# KiCad board IotKnob.kicad_pcb (continued)
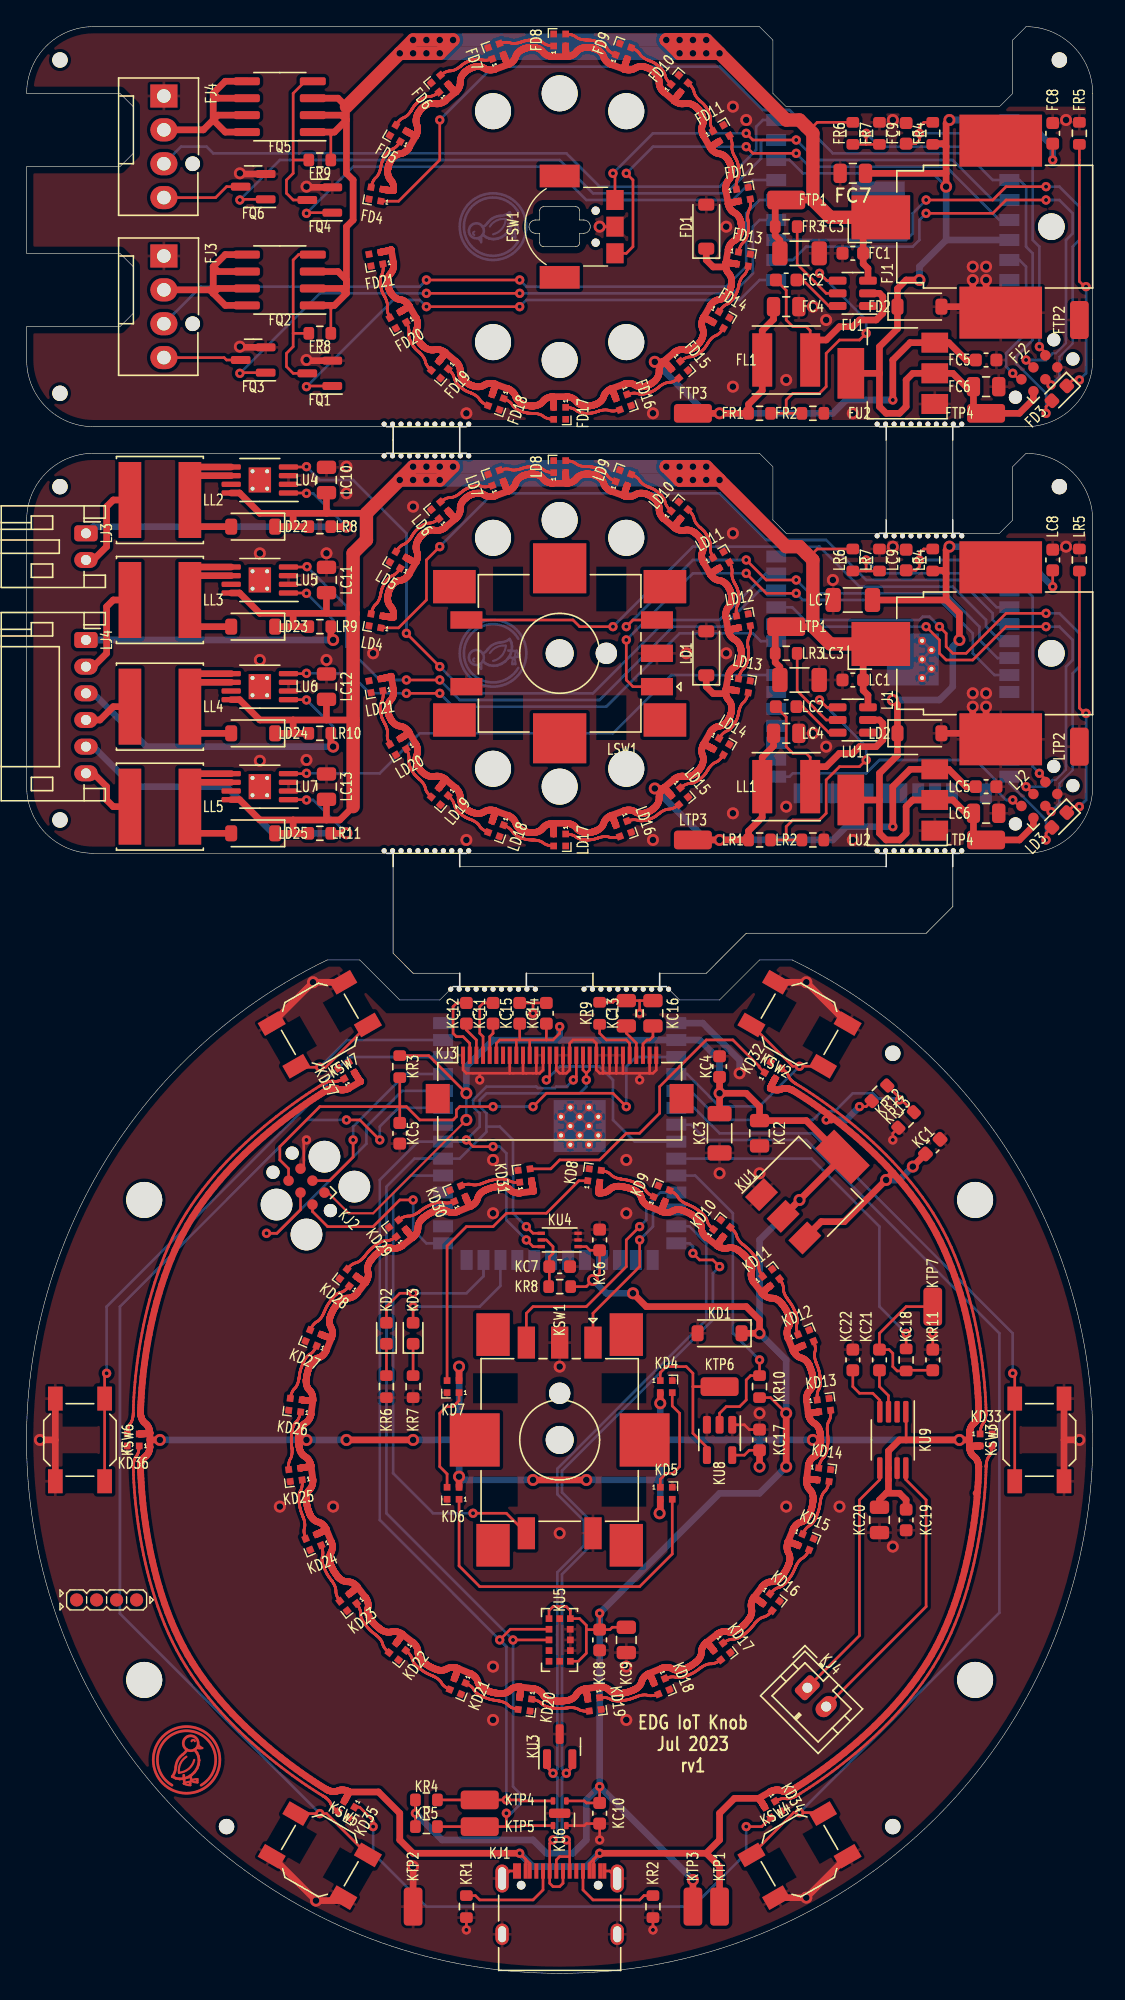
[diagram p0: board, top side]
## Routing (per net, layer and track width the routed paths; a pad name or vN(x,y) marks a point on that pad's centre or on a via; arc(x,y) is an arc through that point) (continued)
rgb_shift.output: length 12
  Top w0.2: KTP6.1 50,44.01 ; 50,44.01 50,40.51 51.05,39.46 KU8.4 ; 50,44.01 50,45.01 49.5,45.51 48,45.51 47.55,45.06 KD4.1
rgb_sw.led[0].dout: length 33
  Top w0.2: 71.56,40.6 71.56,40.65 71.57,40.68 71.58,40.75 71.58,40.78 71.59,40.81 71.6,40.84 71.61,40.88 71.63,40.95 71.64,40.98 71.65,41.02 71.66,41.05 71.68,41.08 71.7,41.11 71.71,41.15 71.73,41.18 71.75,41.2 71.8,41.26 71.82,41.29 71.84,41.32 71.85,41.35 71.87,41.38 71.88,41.41 71.9,41.45 71.91,41.48 71.92,41.52 71.94,41.58 71.95,41.62 71.96,41.65 71.97,41.69 71.97,41.72 71.98,41.78 71.99,41.81 71.99,41.86 72,41.91 72,41.97 72,41.98 72,42.01 72,42.03 72,42.11 72,42.24 71.99,42.42 71.98,42.64 71.97,42.9 71.95,43.21 71.93,43.56 71.9,43.94 71.87,44.35 71.82,44.8 71.77,45.28 71.71,45.78 71.63,46.31 71.55,46.86 71.45,47.44 71.34,48.03 71.22,48.64 71.09,49.26 70.93,49.9 70.76,50.54 70.58,51.19 70.38,51.85 70.16,52.51 69.91,53.17 69.66,53.83 69.37,54.48 69.07,55.13 68.75,55.77 68.4,56.4 68.03,57.02 67.63,57.62 67.22,58.21 66.8,58.78 66.36,59.33 65.91,59.87 65.44,60.39 64.98,60.9 64.5,61.38 64.03,61.85 63.56,62.3 63.09,62.73 62.62,63.14 62.16,63.53 61.71,63.9 61.28,64.25 60.85,64.58 60.45,64.88 60.06,65.17 59.7,65.43 59.36,65.67 59.04,65.89 58.75,66.08 58.5,66.25 58.27,66.39 58.08,66.51 57.82,66.67 57.75,66.71 57.73,66.72 57.71,66.73 57.67,66.76 57.61,66.8 57.59,66.81 57.57,66.83 57.55,66.85 57.52,66.87 57.47,66.91 57.44,66.93 57.42,66.96 57.37,67.01 57.34,67.03 57.3,67.09 57.28,67.12 57.25,67.15 57.23,67.18 57.22,67.21 57.2,67.24 57.19,67.27 57.17,67.3 57.16,67.33 57.15,67.37 57.13,67.4 57.11,67.43 57.09,67.46 57.07,67.49 57.05,67.52 57.03,67.54 57,67.57 56.95,67.62 56.93,67.65 56.9,67.67 56.85,67.72 56.78,67.77 56.75,67.79 56.73,67.81
rgb_sw.led[1].dout: length 33
  Top w0.2: 56.29,12.97 56.32,12.98 56.34,12.99 56.37,13.01 56.4,13.02 56.43,13.03 56.46,13.04 56.49,13.05 56.53,13.06 56.56,13.07 56.59,13.08 56.63,13.09 56.66,13.09 56.7,13.1 56.74,13.11 56.77,13.11 56.81,13.11 56.84,13.11 56.88,13.11 56.91,13.11 56.95,13.1 56.98,13.1 57.02,13.09 57.05,13.09 57.09,13.09 57.12,13.09 57.16,13.1 57.2,13.1 57.23,13.11 57.27,13.11 57.3,13.12 57.34,13.13 57.37,13.14 57.41,13.15 57.44,13.16 57.47,13.17 57.5,13.18 57.55,13.21 57.58,13.22 57.61,13.23 57.63,13.24 57.67,13.26 57.71,13.28 57.73,13.29 57.73,13.29 57.75,13.31 57.82,13.35 58.08,13.51 58.27,13.62 58.5,13.77 58.75,13.94 59.04,14.13 59.36,14.34 59.7,14.58 60.06,14.84 60.45,15.13 60.85,15.43 61.28,15.76 61.71,16.11 62.16,16.48 62.62,16.87 63.09,17.28 63.56,17.71 64.03,18.16 64.5,18.63 64.98,19.12 65.44,19.62 65.91,20.14 66.36,20.68 66.8,21.24 67.22,21.81 67.63,22.39 68.03,22.99 68.4,23.61 68.75,24.24 69.07,24.88 69.37,25.53 69.66,26.19 69.91,26.84 70.16,27.5 70.38,28.16 70.58,28.82 70.76,29.47 70.93,30.12 71.09,30.75 71.22,31.37 71.34,31.98 71.45,32.58 71.55,33.15 71.63,33.7 71.71,34.23 71.77,34.74 71.82,35.21 71.87,35.66 71.9,36.08 71.93,36.46 71.95,36.8 71.97,37.11 71.98,37.37 71.99,37.6 72,37.77 72,37.9 72,37.98 72,38.02 72,38.03 72,38.05 72,38.1 72.01,38.15 72.01,38.2 72.02,38.23 72.03,38.3 72.03,38.33 72.04,38.36 72.05,38.39 72.06,38.43 72.08,38.5 72.09,38.53 72.1,38.57 72.12,38.6 72.13,38.63 72.15,38.66 72.16,38.7 72.18,38.73 72.2,38.75 72.25,38.81 72.27,38.84 72.29,38.87 72.3,38.9 72.32,38.93 72.34,38.96 72.35,39 72.36,39.03 72.37,39.07 72.39,39.13 72.4,39.17 72.41,39.2 72.42,39.24 72.42,39.27 72.43,39.33 72.44,39.36 72.44,39.41
rgb_sw.led[2].dout: length 39.7
  Top w0.2: KD35.1 25,12.46 26,11.46 v2(26,11.01) ; v2(54,11.01) 55.16,11.01 KD34.3
  Bottom w0.2: v2(54,11.01) 54,9.01 50,5.01 30,5.01 26,9.01 v2(26,11.01)
rgb_sw.led[3].dout: length 33
  Top w0.2: 8.44,39.41 8.44,39.36 8.43,39.33 8.42,39.27 8.42,39.24 8.41,39.2 8.4,39.17 8.39,39.13 8.37,39.07 8.36,39.03 8.35,39 8.33,38.96 8.32,38.93 8.3,38.9 8.29,38.87 8.27,38.84 8.25,38.81 8.2,38.75 8.18,38.73 8.16,38.7 8.15,38.66 8.13,38.63 8.11,38.6 8.1,38.57 8.09,38.53 8.08,38.5 8.06,38.43 8.05,38.39 8.04,38.36 8.03,38.33 8.03,38.3 8.02,38.23 8.01,38.2 8.01,38.15 8,38.1 8,38.05 8,38.03 8,38.01 8,37.98 8,37.9 8,37.77 8.01,37.6 8.02,37.37 8.03,37.11 8.05,36.8 8.07,36.46 8.1,36.08 8.13,35.66 8.18,35.21 8.23,34.74 8.29,34.23 8.37,33.7 8.45,33.15 8.55,32.58 8.66,31.98 8.78,31.37 8.92,30.75 9.07,30.12 9.24,29.47 9.42,28.82 9.62,28.16 9.84,27.5 10.08,26.84 10.34,26.19 10.63,25.53 10.93,24.88 11.25,24.24 11.6,23.61 11.97,22.99 12.37,22.39 12.78,21.81 13.2,21.24 13.64,20.68 14.09,20.14 14.56,19.62 15.02,19.12 15.5,18.63 15.97,18.16 16.44,17.71 16.91,17.28 17.38,16.87 17.84,16.48 18.29,16.11 18.72,15.76 19.15,15.43 19.55,15.13 19.94,14.84 20.3,14.58 20.64,14.34 20.96,14.13 21.25,13.94 21.5,13.77 21.73,13.62 21.92,13.51 22.18,13.35 22.25,13.31 22.27,13.29 22.29,13.28 22.33,13.25 22.39,13.22 22.41,13.2 22.43,13.18 22.45,13.16 22.48,13.15 22.53,13.1 22.56,13.08 22.58,13.06 22.63,13.01 22.66,12.98 22.7,12.93 22.72,12.9 22.75,12.87 22.77,12.84 22.78,12.81 22.8,12.78 22.81,12.74 22.83,12.71 22.84,12.68 22.85,12.65 22.87,12.62 22.89,12.58 22.91,12.55 22.93,12.53 22.95,12.5 22.97,12.47 23,12.44 23.05,12.39 23.07,12.37 23.1,12.34 23.15,12.3 23.22,12.24 23.25,12.22 23.27,12.21
rgb_sw.led[4].dout: length 33
  Top w0.2: 7.56,40.6 7.56,40.65 7.57,40.68 7.58,40.75 7.58,40.78 7.59,40.81 7.6,40.84 7.61,40.88 7.63,40.95 7.64,40.98 7.65,41.02 7.67,41.05 7.68,41.08 7.7,41.11 7.71,41.15 7.73,41.18 7.75,41.2 7.8,41.26 7.82,41.29 7.84,41.32 7.85,41.35 7.87,41.38 7.89,41.41 7.9,41.45 7.91,41.48 7.92,41.52 7.94,41.58 7.95,41.62 7.96,41.65 7.97,41.69 7.97,41.72 7.98,41.78 7.99,41.81 7.99,41.86 8,41.91 8,41.97 8,41.98 8,42.01 8,42.03 8,42.11 8,42.24 8.01,42.42 8.02,42.64 8.03,42.9 8.05,43.21 8.07,43.56 8.1,43.94 8.13,44.35 8.18,44.8 8.23,45.28 8.29,45.78 8.37,46.31 8.45,46.86 8.55,47.44 8.66,48.03 8.78,48.64 8.92,49.26 9.07,49.9 9.24,50.54 9.42,51.19 9.62,51.85 9.84,52.51 10.08,53.17 10.34,53.83 10.63,54.48 10.93,55.13 11.25,55.77 11.6,56.4 11.97,57.02 12.37,57.62 12.78,58.21 13.2,58.78 13.64,59.33 14.09,59.87 14.56,60.39 15.02,60.9 15.5,61.38 15.97,61.85 16.44,62.3 16.91,62.73 17.38,63.14 17.84,63.53 18.29,63.9 18.72,64.25 19.15,64.58 19.55,64.88 19.94,65.17 20.3,65.43 20.64,65.67 20.96,65.89 21.25,66.08 21.5,66.25 21.73,66.39 21.92,66.51 22.18,66.67 22.25,66.71 22.27,66.72 22.32,66.75 22.37,66.77 22.39,66.78 22.42,66.79 22.45,66.81 22.5,66.83 22.53,66.84 22.56,66.85 22.59,66.86 22.63,66.87 22.66,66.88 22.7,66.89 22.73,66.9 22.77,66.91 22.8,66.91 22.84,66.92 22.88,66.92 22.91,66.92 22.95,66.92 22.98,66.92 23.02,66.92 23.05,66.91 23.09,66.91 23.12,66.9 23.16,66.9 23.19,66.9 23.23,66.9 23.26,66.91 23.3,66.91 23.34,66.92 23.37,66.93 23.41,66.93 23.44,66.94 23.47,66.95 23.51,66.96 23.54,66.97 23.57,66.98 23.6,67 23.63,67.01 23.66,67.02 23.68,67.03 23.71,67.04
spk_dac.input: length 27.4
  Top w0.2: KR11.1 v2(66,48.01)
  Bottom w0.2: v2(66,48.01) 64,50.01 64,56.01 58.9,61.11 KU2.9
spk_dac.output: length 11.3
  Top w0.2: KTP7.1 66,50.01 64,48.01 KC21.2 64.72,46.78 65,46.51 65,45.51 65.33,45.18 KR11.2 ; KC18.1 66.05,45.23
spk_drv.inn_cap.pos: length 4.5
  Top w0.2: KU9.4 64.03,42.98 63.5,43.51 62.5,43.51 62,44.01 KC22.1
spk_drv.inp_cap.pos: length 3.4
  Top w0.2: KC21.1 64,44.01 64.67,43.33 KU9.3
spk_drv.spk.a: length 18.7
  Top w0.2: KJ4.1 62.5,25.33 62.5,35.51 64.03,37.03 KU9.5
spk_drv.spk.b: length 21.6
  Top w0.2: KU9.8 65.97,37.03 67.5,35.51 67.5,27.51 KJ4.2
sw[0].out: length 18.2
  Top w0.2: KSW2.1 57.49,68.03 KSW2.1
  Bottom w0.2: KU2.4 49.55,67.46 51.29,65.72 51.29,65.71 51.98,65.02 54.99,65.02 v2(58,68.03)
sw[1].out: length 43.4
  Top w0.2: v2(74,45.01) 74.15,44.86 KSW3.1 KSW3.1
  Bottom w0.2: KU2.6 50.09,64.92 52,63.01 59,63.01 74,48.01 v2(74,45.01)
sw[2].out: length 79.5
  Top w0.2: KSW4.1 57.56,12.06 59.67,12.06
  Bottom w0.2: v2(58,12.06) 73,27.06 73,48.01 58.5,62.51 51,62.51 49.86,63.65 KU2.7
sw[3].out: length 83.1
  Top w0.2: KSW5.1 22.51,11.98 KSW5.1 ; v2(24,64.01) 25,64.01 v2(26.5,62.51)
  Bottom w0.2: KU2.35 27.91,64.92 26.5,63.51 v2(26.5,62.51) ; v2(24,64.01) 21,64.01 7,50.01 7,26.98 v2(22,11.98)
sw[4].out: length 46.5
  Top w0.2: KSW6.1 KSW6.1 5.85,44.86 v2(6,45.01)
  Bottom w0.2: KU2.38 24.22,68.73 22.5,67.01 22.5,66.51 6,50.01 v2(6,45.01)
sw[5].out: length 16.7
  Top w0.2: 20.33,67.96 22.44,67.96 KSW7.1
  Bottom w0.2: v2(22,67.96) 24.04,70 KU2.39
usb.conn.A5: length 7.6
  Top w0.2: KR1.2 33.67,5.83 34,5.51 38,5.51 38.75,6.26 KJ1.A5
usb.conn.B5: length 7.1
  Top w0.2: KR2.2 46.33,5.83 46,5.51 42.5,5.51 41.75,6.26 KJ1.B5
usb_chain_0.d_N: length 60.3
  Top w0.2: KJ1.A7 40.25,6.76 40,6.51 39.5,6.51 39.25,6.76 KJ1.B7 39.25,9.76 v2(39.5,10.01) ; 39.05,15.46 v2(39.5,15.01)
  Bottom w0.2: KU2.13 49.73,56.03 51,54.76 51,49.02 39.83,37.85 39.83,35.93 41.83,33.93 41.83,32.08 39.83,30.08 39.83,15.33 v2(39.5,15.01) 39.83,14.68 39.83,10.33 v2(39.5,10.01)
usb_chain_0.d_P: length 59.2
  Top w0.2: KJ1.B6 40.75,8.76 ; 40.75,8.76 40.75,9.76 v2(40.5,10.01) ; 40.75,8.76 40,8.76 39.75,8.51 KJ1.A6 ; v2(50,54.01) 50.5,53.51 51.5,53.51 v2(52,53.01) ; 40.95,15.46 v2(40.5,15.01)
  Bottom w0.2: v2(52,53.01) 51.5,52.51 51.5,49.03 40.17,37.7 40.17,36.08 42.17,34.08 42.17,31.93 40.17,29.93 40.17,15.33 v2(40.5,15.01) 40.17,14.68 40.17,10.33 v2(40.5,10.01) ; KU2.14 49.75,54.76 50,54.51 v2(50,54.01)
vusb: length 455.4
  Top w0.2: 66,42.09 66,40.01 ; KJ1.B4 42.25,8.26 v2(43,9.01) 42.55,8.56 KJ1.A9 ; v2(62.5,65.01) 63,65.01 KR12.1 ; KJ1.B9 37.75,8.26 v2(37,9.01) 37.45,8.56 KJ1.A4 ; KU8.5 53.86,38.87 54.22,39.23 KC17.1
  Top w0.5: KD28.2 24.79,52.25 24.81,52.23 24.83,52.22 24.84,52.21 24.85,52.2 24.88,52.18 24.9,52.17 24.93,52.14 24.95,52.13 24.97,52.11 25,52.09 25.05,52.06 25.07,52.04 25.11,52.01 25.22,51.94 25.24,51.93 25.26,51.91 25.27,51.9 25.29,51.89 25.32,51.87 25.34,51.86 25.36,51.85 25.38,51.84 25.4,51.83 25.43,51.82 ; 21.47,42.95 21.47,42.95 21.46,42.95 21.44,42.94 21.43,42.94 21.41,42.94 21.39,42.94 21.38,42.94 21.35,42.94 21.32,42.95 21.3,42.95 21.28,42.95 21.23,42.95 21.07,42.96 21.05,42.96 21,42.97 20.97,42.97 20.93,42.98 20.9,42.98 20.84,42.98 20.82,42.99 20.77,42.99 20.75,42.99 20.73,43 20.69,43 KD26.2 ; 21.48,42.95 21.48,42.99 21.48,43.02 21.48,43.09 21.48,43.11 21.48,43.17 21.47,43.2 21.47,43.23 21.46,43.26 21.45,43.33 21.44,43.37 21.43,43.4 21.42,43.44 21.41,43.47 21.39,43.51 21.37,43.54 21.35,43.58 21.33,43.61 21.31,43.64 21.28,43.68 21.26,43.71 21.2,43.77 21.17,43.8 21.14,43.83 21.12,43.87 21.1,43.9 21.08,43.94 21.06,43.97 21.05,44.01 21.03,44.04 21.02,44.08 21.01,44.11 21,44.15 21,44.18 20.98,44.25 20.98,44.28 20.98,44.31 20.97,44.36 20.97,44.39 20.97,44.44 20.97,44.46 20.97,44.47 20.98,44.51 20.98,44.53 20.99,44.59 20.99,44.61 20.99,44.63 20.99,44.65 21,44.67 21,44.69 21,44.71 21.01,44.73 21.01,44.76 21.02,44.83 21.03,44.85 21.03,44.88 21.04,44.9 21.04,44.92 21.05,44.97 21.06,44.99 21.06,45.02 21.08,45.08 21.09,45.12 21.09,45.14 21.11,45.18 21.11,45.2 21.12,45.23 21.13,45.25 21.14,45.27 21.15,45.3 21.16,45.32 21.16,45.34 21.17,45.37 21.19,45.41 21.21,45.47 21.22,45.49 21.24,45.54 21.25,45.57 21.25,45.58 21.26,45.6 21.27,45.61 21.28,45.62 21.29,45.65 21.3,45.67 21.31,45.68 21.32,45.7 21.34,45.75 21.38,45.79 21.39,45.82 21.43,45.87 21.45,45.89 21.48,45.92 21.5,45.95 21.53,45.97 21.56,46 21.59,46.02 21.62,46.04 21.65,46.06 21.68,46.08 21.72,46.1 21.76,46.12 21.79,46.14 21.83,46.15 21.88,46.16 21.92,46.17 21.96,46.19 22,46.2 22.03,46.22 22.07,46.24 22.1,46.26 22.13,46.28 22.16,46.3 22.19,46.33 22.22,46.35 22.25,46.38 22.27,46.4 22.3,46.43 22.32,46.45 22.34,46.48 22.36,46.5 22.38,46.53 22.41,46.58 22.43,46.62 22.44,46.64 22.45,46.66 22.46,46.67 22.48,46.7 22.48,46.72 22.49,46.72 22.87,47.64 ; 21.48,42.95 21.34,41.96 21.34,41.92 21.33,41.91 21.33,41.87 21.32,41.85 21.31,41.82 21.31,41.8 21.29,41.74 21.27,41.69 21.25,41.66 21.24,41.63 21.22,41.6 21.2,41.56 21.19,41.53 21.16,41.5 21.14,41.47 21.12,41.44 21.09,41.41 21.06,41.38 21.04,41.36 21,41.33 20.97,41.31 20.94,41.28 20.9,41.26 20.86,41.24 20.83,41.22 20.8,41.19 20.76,41.16 20.73,41.14 20.71,41.11 20.68,41.08 20.64,41.02 20.62,40.99 20.6,40.96 20.58,40.93 20.56,40.89 20.55,40.86 20.53,40.83 20.52,40.8 20.5,40.75 20.49,40.7 20.48,40.67 20.47,40.65 20.47,40.62 20.46,40.59 20.46,40.58 20.46,40.56 20.45,40.54 20.45,40.52 20.45,40.51 20.44,40.48 20.44,40.42 20.44,40.4 20.43,40.36 20.43,40.33 20.42,40.29 20.42,40.26 20.41,40.16 20.41,40.14 20.41,40.12 20.41,40.05 20.41,40.01 ; 9.25,40.51 9.24,40.5 9.21,40.49 9.19,40.49 9.18,40.49 9.16,40.49 9.14,40.49 9.13,40.48 9.11,40.48 9.08,40.48 9.06,40.48 9.01,40.47 8.98,40.47 8.95,40.47 8.93,40.47 8.9,40.47 8.72,40.46 8.7,40.46 8.68,40.46 8.66,40.46 8.64,40.46 8.62,40.46 8.6,40.46 8.58,40.46 8.53,40.46 8.51,40.46 KD36.2 ; 9.25,40.51 9.25,40.01 ; 9.25,40.51 9.25,40.52 9.25,40.56 9.25,40.58 9.24,40.6 9.24,40.62 9.23,40.67 9.23,40.7 9.22,40.73 9.21,40.79 9.2,40.82 9.19,40.85 9.17,40.88 9.16,40.92 9.15,40.95 9.13,40.98 9.11,41.02 9.09,41.05 9.07,41.08 9.05,41.11 9.02,41.14 9,41.17 8.97,41.2 8.93,41.23 8.87,41.28 8.83,41.31 8.81,41.34 8.78,41.37 8.75,41.4 8.73,41.43 8.71,41.46 8.69,41.5 8.67,41.53 8.65,41.56 8.64,41.6 8.63,41.63 8.61,41.66 8.6,41.7 8.59,41.73 8.58,41.79 8.57,41.82 8.57,41.84 8.56,41.89 8.56,41.91 8.55,41.93 8.55,41.98 8.55,42.01 8.55,42.03 8.55,42.11 8.55,42.24 8.56,42.41 8.57,42.63 8.58,42.89 8.59,43.19 8.62,43.53 8.64,43.9 8.68,44.31 8.72,44.75 8.78,45.21 8.84,45.71 8.91,46.23 8.99,46.77 9.09,47.33 9.19,47.91 9.31,48.51 9.45,49.12 9.6,49.74 9.76,50.38 9.94,51.02 10.14,51.66 10.36,52.31 10.59,52.95 10.85,53.6 11.13,54.24 11.42,54.88 11.74,55.51 12.08,56.12 12.45,56.73 12.83,57.32 13.23,57.89 13.65,58.45 14.08,59 14.53,59.53 14.98,60.04 15.44,60.53 15.9,61.01 16.36,61.47 16.83,61.91 17.29,62.33 17.75,62.73 18.2,63.12 18.64,63.48 19.07,63.82 19.48,64.14 19.88,64.44 20.26,64.72 20.62,64.98 20.95,65.21 21.26,65.43 21.54,65.61 21.79,65.78 22.01,65.92 22.2,66.03 22.34,66.12 22.45,66.19 22.52,66.23 22.55,66.25 22.59,66.27 22.61,66.27 22.63,66.28 22.67,66.3 22.69,66.31 22.72,66.32 22.78,66.34 22.84,66.35 22.87,66.36 22.91,66.37 22.94,66.37 22.98,66.37 23.02,66.38 23.05,66.38 23.09,66.38 23.13,66.37 23.17,66.37 23.21,66.36 23.25,66.36 23.29,66.34 23.33,66.33 23.37,66.31 23.41,66.3 23.45,66.29 23.49,66.27 23.53,66.27 23.57,66.26 23.61,66.25 23.64,66.25 23.68,66.25 23.72,66.25 23.76,66.26 23.79,66.26 23.83,66.26 23.86,66.27 23.93,66.28 23.96,66.29 23.99,66.3 24.02,66.31 24.07,66.33 24.11,66.35 24.13,66.35 24.19,66.38 24.19,66.39 25.06,66.89 25.04,66.9 25.03,66.91 25.03,66.92 25.02,66.92 25,66.95 25,66.96 24.97,66.99 24.95,67.02 24.92,67.06 24.91,67.08 24.88,67.12 24.81,67.24 24.8,67.26 24.77,67.3 24.76,67.32 24.7,67.41 24.69,67.43 24.67,67.46 24.66,67.47 24.64,67.51 24.63,67.53 24.62,67.54 24.61,67.55 ; 71.35,36.11 71.32,35.71 71.28,35.27 71.22,34.8 71.16,34.3 71.09,33.78 71.01,33.24 70.91,32.68 70.81,32.1 70.69,31.5 70.55,30.89 70.4,30.27 70.24,29.64 70.06,29 69.86,28.35 69.64,27.71 69.41,27.06 69.15,26.41 68.87,25.77 68.58,25.13 68.26,24.51 67.92,23.89 67.55,23.28 67.17,22.69 66.77,22.12 66.35,21.56 65.92,21.01 65.47,20.49 65.02,19.98 64.56,19.48 64.1,19 63.64,18.55 63.17,18.1 62.71,17.68 62.25,17.28 61.8,16.9 61.36,16.53 60.93,16.19 60.52,15.87 60.12,15.57 59.74,15.29 59.38,15.03 59.05,14.8 58.74,14.59 58.46,14.4 58.21,14.23 57.99,14.09 57.8,13.98 57.66,13.89 57.55,13.82 57.48,13.78 57.45,13.77 57.41,13.75 57.39,13.74 57.37,13.73 57.33,13.71 57.31,13.7 57.28,13.69 57.22,13.68 57.16,13.66 57.13,13.65 57.09,13.65 57.06,13.64 57.02,13.64 56.98,13.64 56.95,13.64 56.91,13.64 56.87,13.64 56.83,13.64 56.79,13.65 56.75,13.66 56.71,13.67 56.67,13.68 56.63,13.7 56.59,13.71 56.55,13.73 56.51,13.74 56.47,13.75 56.43,13.75 56.39,13.76 56.36,13.76 56.32,13.76 56.28,13.76 56.24,13.76 56.21,13.75 56.17,13.75 56.14,13.74 56.07,13.73 56.04,13.72 56.01,13.71 55.98,13.7 55.93,13.68 55.89,13.67 55.87,13.66 55.81,13.63 55.81,13.63 54.94,13.13 ; 71.35,36.11 71.38,36.49 71.41,36.83 71.42,37.13 71.43,37.39 71.44,37.6 71.45,37.78 71.45,37.9 71.45,37.98 71.45,38.02 71.45,38.06 71.45,38.08 71.44,38.1 71.44,38.12 71.43,38.17 71.43,38.2 71.42,38.23 71.41,38.29 71.4,38.32 71.39,38.35 71.37,38.38 71.36,38.42 71.35,38.45 71.33,38.48 71.31,38.52 71.29,38.55 71.27,38.58 71.25,38.61 71.22,38.64 71.19,38.67 71.16,38.7 71.13,38.73 71.07,38.78 71.03,38.81 71,38.84 70.98,38.87 70.95,38.9 70.93,38.93 70.91,38.96 70.89,39 70.87,39.03 70.85,39.06 70.84,39.1 70.83,39.13 70.81,39.16 70.8,39.2 70.79,39.23 70.78,39.29 70.77,39.32 70.77,39.34 70.76,39.39 70.76,39.41 70.75,39.43 70.75,39.48 70.75,39.51 ; 71.35,36.11 71.25,36.01 ; 32.36,22.88 32.35,22.88 32.34,22.88 32.33,22.89 32.31,22.89 32.3,22.9 32.28,22.9 32.25,22.91 32.2,22.92 32.18,22.93 32.12,22.94 32.06,22.95 31.99,22.95 31.95,22.95 31.92,22.95 31.88,22.95 31.84,22.94 31.8,22.94 31.76,22.93 31.72,22.92 31.69,22.91 31.65,22.89 31.61,22.88 31.57,22.86 31.5,22.82 31.46,22.8 31.42,22.78 31.39,22.77 31.35,22.76 31.31,22.75 31.27,22.74 31.23,22.74 31.19,22.73 31.16,22.73 31.08,22.73 31.05,22.73 30.98,22.74 30.95,22.74 30.92,22.74 30.89,22.75 30.87,22.76 30.84,22.76 30.8,22.77 30.76,22.78 30.73,22.79 30.72,22.8 30.69,22.81 30.65,22.83 30.62,22.84 30.6,22.85 30.58,22.86 30.56,22.87 30.54,22.87 30.52,22.88 30.5,22.89 30.45,22.91 30.43,22.92 30.39,22.95 30.36,22.96 30.32,22.98 30.3,22.99 30.28,23 30.26,23.01 30.24,23.02 30.22,23.03 30.19,23.05 30.17,23.06 30.15,23.07 30.13,23.08 30.11,23.1 30.09,23.11 30.03,23.15 30.01,23.17 29.95,23.21 29.91,23.24 29.89,23.25 29.86,23.27 29.84,23.29 29.81,23.31 29.79,23.33 29.78,23.33 29.77,23.34 29.73,23.37 29.72,23.38 29.71,23.39 29.69,23.41 29.64,23.45 29.63,23.47 29.59,23.51 29.57,23.54 29.55,23.56 29.53,23.59 29.51,23.62 29.49,23.65 29.48,23.68 29.46,23.71 29.44,23.74 29.43,23.78 29.41,23.81 29.4,23.85 29.39,23.89 29.38,23.93 29.37,23.97 29.37,24.01 29.36,24.05 29.36,24.09 29.36,24.14 29.36,24.18 29.36,24.22 29.35,24.26 29.34,24.3 29.33,24.34 29.32,24.37 29.3,24.41 29.29,24.44 29.27,24.48 29.25,24.51 29.23,24.54 29.22,24.57 29.2,24.6 29.18,24.62 29.16,24.65 29.14,24.67 29.1,24.71 29.08,24.73 29.05,24.77 29,24.81 28.98,24.83 28.98,24.83 28.19,25.44 ; 32.36,22.88 33.29,22.49 33.31,22.48 33.33,22.47 33.35,22.46 33.37,22.45 33.39,22.44 33.43,22.41 33.48,22.38 33.5,22.36 33.53,22.35 33.55,22.32 33.58,22.3 33.61,22.28 33.63,22.25 33.66,22.23 33.68,22.2 33.7,22.17 33.73,22.14 33.75,22.11 33.77,22.07 33.79,22.04 33.81,22 33.82,21.96 33.83,21.92 33.85,21.88 33.86,21.84 33.87,21.8 33.89,21.76 33.9,21.73 33.92,21.69 33.94,21.66 33.97,21.62 33.99,21.59 34.01,21.56 34.04,21.54 34.06,21.51 34.09,21.49 34.11,21.46 34.14,21.44 34.19,21.4 34.21,21.38 34.26,21.35 34.3,21.32 34.32,21.31 34.34,21.3 34.36,21.29 34.38,21.28 34.41,21.27 34.42,21.26 34.43,21.26 34.45,21.25 34.48,21.24 34.52,21.23 34.53,21.22 34.58,21.2 34.64,21.18 34.66,21.17 34.69,21.16 34.71,21.15 34.73,21.15 34.76,21.14 34.78,21.13 34.8,21.12 34.83,21.11 34.87,21.1 34.91,21.09 34.93,21.08 34.97,21.07 34.99,21.07 35.01,21.06 35.03,21.06 35.08,21.05 35.11,21.04 35.13,21.04 35.16,21.03 35.18,21.03 35.25,21.02 35.27,21.01 35.3,21.01 35.32,21.01 35.34,21 35.36,21 35.38,21 35.39,21 35.44,20.99 35.47,20.98 35.5,20.98 35.53,20.98 35.55,20.98 35.57,20.98 35.62,20.98 35.64,20.98 35.7,20.98 35.73,20.99 35.76,20.99 35.83,21 35.86,21.01 35.89,21.02 35.93,21.03 35.97,21.04 36,21.05 36.04,21.07 36.07,21.09 36.11,21.11 36.14,21.13 36.17,21.15 36.21,21.18 36.24,21.2 36.3,21.26 36.33,21.29 36.36,21.32 36.4,21.34 36.43,21.36 36.46,21.38 36.5,21.4 36.53,21.41 36.57,21.43 36.61,21.44 36.64,21.45 36.67,21.46 36.74,21.47 36.77,21.48 36.81,21.48 36.84,21.48 36.89,21.49 36.92,21.49 36.98,21.49 37.03,21.48 37.06,21.48 ; 32.36,22.87 32.36,22.86 32.36,22.84 32.35,22.82 32.34,22.76 32.33,22.74 32.33,22.72 32.32,22.7 32.3,22.64 32.29,22.61 32.26,22.54 32.26,22.51 32.23,22.44 32.22,22.42 32.21,22.4 32.2,22.37 32.19,22.33 32.18,22.31 32.17,22.29 32.16,22.27 32.15,22.24 32.14,22.22 32.13,22.19 32.12,22.15 32.11,22.13 32.1,22.12 ; 21.34,38.05 21.34,38.09 21.33,38.11 21.33,38.14 21.32,38.17 21.31,38.19 21.31,38.21 21.29,38.27 21.27,38.33 21.25,38.36 21.24,38.39 21.22,38.42 21.2,38.45 21.19,38.48 21.16,38.51 21.14,38.54 21.12,38.57 21.09,38.6 21.06,38.63 21.04,38.66 21,38.68 20.97,38.71 20.94,38.73 20.9,38.75 20.86,38.77 20.83,38.8 20.8,38.82 20.76,38.85 20.73,38.88 20.71,38.9 20.68,38.93 20.64,38.99 20.62,39.03 20.6,39.06 20.58,39.09 20.56,39.12 20.55,39.15 20.53,39.18 20.52,39.21 20.5,39.26 20.49,39.32 20.48,39.34 20.47,39.36 20.47,39.4 20.46,39.43 20.46,39.44 20.46,39.45 20.45,39.47 20.45,39.49 20.45,39.5 20.44,39.53 20.44,39.59 20.44,39.61 20.43,39.66 20.43,39.68 20.42,39.73 20.42,39.75 20.41,39.85 20.41,39.87 20.41,39.9 20.41,39.97 20.41,40.01 ; 21.34,38.05 21.48,37.06 21.48,37.01 21.48,36.99 21.48,36.93 21.48,36.9 21.48,36.84 21.47,36.81 21.47,36.78 21.46,36.75 21.45,36.68 21.44,36.65 21.43,36.61 21.42,36.58 21.41,36.54 21.39,36.51 21.37,36.47 21.35,36.44 21.33,36.4 21.31,36.37 21.28,36.34 21.26,36.3 21.2,36.24 21.17,36.21 21.14,36.18 21.12,36.15 21.1,36.11 21.08,36.08 21.06,36.04 21.05,36.01 21.03,35.97 21.02,35.94 21.01,35.9 21,35.87 21,35.83 20.98,35.77 20.98,35.74 20.98,35.71 20.97,35.65 20.97,35.62 20.97,35.58 20.97,35.56 20.97,35.54 20.98,35.5 20.98,35.48 20.99,35.42 20.99,35.4 20.99,35.38 20.99,35.37 21,35.35 21,35.33 21,35.3 21.01,35.28 21.01,35.26 21.02,35.19 21.03,35.16 21.03,35.14 21.04,35.11 21.04,35.09 21.05,35.04 21.06,35.02 21.06,35 21.08,34.94 21.09,34.9 21.09,34.88 21.11,34.83 21.11,34.81 21.12,34.79 21.13,34.76 21.14,34.74 21.15,34.72 21.16,34.69 21.16,34.67 21.17,34.65 21.19,34.6 21.21,34.54 21.22,34.52 21.24,34.47 21.25,34.45 21.25,34.44 21.26,34.42 21.27,34.4 21.28,34.39 21.29,34.36 21.3,34.35 21.31,34.33 21.32,34.31 21.34,34.27 21.38,34.22 21.39,34.19 21.43,34.14 21.45,34.12 21.48,34.09 21.5,34.07 21.53,34.04 21.56,34.02 21.59,33.99 21.62,33.97 21.65,33.95 21.68,33.93 21.72,33.91 21.76,33.89 21.79,33.88 21.83,33.86 21.88,33.85 21.92,33.84 21.96,33.83 22,33.81 22.03,33.79 22.07,33.78 22.1,33.75 22.13,33.73 22.16,33.71 22.19,33.69 22.22,33.66 22.25,33.64 22.27,33.61 22.3,33.59 22.32,33.56 22.34,33.53 22.36,33.51 22.38,33.48 22.41,33.44 22.43,33.39 22.44,33.38 22.45,33.36 22.46,33.34 22.48,33.32 22.48,33.29 22.49,33.29 ; 21.34,38.05 21.33,38.05 21.31,38.04 21.27,38.03 21.24,38.02 21.21,38.01 21.18,38.01 21.16,38 21.13,38 21.08,37.99 21,37.97 20.98,37.97 20.95,37.96 20.93,37.96 20.9,37.95 20.83,37.94 20.81,37.94 20.78,37.93 20.76,37.93 20.7,37.92 20.69,37.92 20.67,37.92 20.65,37.91 20.61,37.91 20.6,37.91 20.57,37.9 20.56,37.9 ; 22.49,33.29 22.87,32.37 22.87,32.36 22.88,32.35 22.88,32.33 22.89,32.32 22.89,32.3 22.9,32.28 22.9,32.26 22.92,32.21 22.92,32.18 22.93,32.13 22.94,32.06 22.94,31.99 22.94,31.96 22.94,31.92 22.94,31.88 22.94,31.85 22.93,31.81 22.92,31.77 22.91,31.73 22.9,31.69 22.89,31.66 22.87,31.62 22.85,31.58 22.81,31.51 22.79,31.47 22.78,31.43 22.76,31.39 22.75,31.35 22.74,31.31 22.73,31.28 22.73,31.24 22.72,31.2 22.72,31.16 22.72,31.09 22.72,31.06 22.73,30.99 22.73,30.96 22.74,30.93 22.74,30.9 22.75,30.87 22.75,30.85 22.77,30.8 22.78,30.77 22.79,30.74 22.79,30.72 22.8,30.7 22.82,30.65 22.84,30.62 22.84,30.6 22.85,30.59 22.86,30.57 22.87,30.55 22.88,30.53 22.89,30.51 22.91,30.46 22.92,30.44 22.94,30.39 22.95,30.37 22.97,30.33 22.98,30.31 22.99,30.29 23,30.27 23.01,30.25 23.02,30.23 23.04,30.19 23.05,30.18 23.06,30.16 23.08,30.14 23.09,30.12 23.1,30.1 23.14,30.04 23.16,30.02 23.2,29.96 23.23,29.92 23.24,29.9 23.27,29.87 23.28,29.85 23.3,29.82 23.32,29.79 23.33,29.78 23.33,29.77 23.37,29.73 23.38,29.72 23.39,29.71 23.4,29.7 23.45,29.65 23.47,29.63 23.51,29.6 23.53,29.58 23.56,29.56 23.58,29.54 23.61,29.52 23.64,29.5 23.67,29.48 23.7,29.47 23.74,29.45 23.77,29.43 23.81,29.42 23.84,29.41 23.88,29.4 23.92,29.39 23.96,29.38 24,29.37 24.04,29.37 24.09,29.37 24.13,29.37 24.17,29.37 24.21,29.36 24.25,29.36 24.29,29.35 24.33,29.34 24.36,29.32 24.4,29.31 24.44,29.29 24.47,29.28 24.5,29.26 24.53,29.24 24.56,29.22 24.59,29.2 24.61,29.18 24.64,29.16 24.66,29.15 24.71,29.11 24.73,29.09 24.76,29.06 24.81,29.01 24.82,28.99 24.82,28.99 ; 22.49,33.29 22.48,33.28 22.46,33.27 22.45,33.27 22.42,33.25 22.4,33.23 22.38,33.23 22.37,33.22 22.33,33.2 22.32,33.19 22.27,33.17 22.25,33.16 22.23,33.15 22.2,33.14 22.18,33.13 22.16,33.11 22.13,33.1 22.11,33.09 22.08,33.08 22.06,33.07 22.02,33.05 22,33.04 21.98,33.03 21.96,33.02 21.92,33.01 21.88,32.99 21.84,32.97 21.81,32.96 21.79,32.95 21.77,32.94 KD24.2 ; 56.16,67.1 56.15,67.09 56.13,67.05 56.12,67.02 56.11,67.01 56.09,66.98 56.07,66.94 56.06,66.92 56.05,66.9 56.04,66.88 56.03,66.86 56.02,66.84 56.01,66.82 56,66.8 55.95,66.71 55.91,66.64 55.9,66.61 55.88,66.57 55.87,66.55 55.86,66.53 55.86,66.52 55.85,66.5 55.84,66.49 55.83,66.45 55.82,66.43 55.81,66.4 55.81,66.39 55.81,66.39 55.82,66.38 55.87,66.35 55.91,66.34 55.98,66.31 56.01,66.3 56.04,66.29 56.07,66.28 56.14,66.27 56.17,66.26 56.21,66.26 56.24,66.26 56.28,66.25 56.32,66.25 56.36,66.25 56.39,66.25 56.43,66.26 56.47,66.27 56.51,66.27 56.55,66.29 56.59,66.3 56.63,66.31 56.67,66.33 56.71,66.34 56.75,66.36 56.79,66.36 56.83,66.37 56.87,66.37 56.91,66.38 56.95,66.38 56.98,66.38 57.02,66.37 57.06,66.37 57.09,66.37 57.13,66.36 57.16,66.35 57.22,66.34 57.28,66.32 57.31,66.31 57.35,66.29 57.37,66.28 57.39,66.27 57.41,66.27 57.45,66.25 57.46,66.24 57.48,66.23 57.55,66.19 57.66,66.12 57.8,66.03 57.99,65.92 58.21,65.78 58.46,65.61 58.74,65.43 59.05,65.21 59.38,64.98 59.74,64.72 60.12,64.44 60.52,64.14 ; 54.94,13.13 54.96,13.11 54.97,13.1 54.97,13.1 54.98,13.09 55,13.07 55,13.06 55.03,13.02 55.05,12.99 55.08,12.95 55.09,12.93 55.12,12.89 55.19,12.78 55.2,12.76 55.23,12.71 55.24,12.69 55.3,12.6 55.31,12.58 55.33,12.55 55.34,12.54 55.36,12.5 55.37,12.48 55.38,12.47 55.39,12.46 ; 54.94,13.13 53.12,13.13 52,12.01 52,10.01 51,9.01 ; 64.5,36.01 64,35.51 KC20.1 ; 64.5,36.01 64.67,36.18 KU9.6 64.67,39.18 65.5,40.01 v1(70,40.01) 70.75,40.01 ; 64.5,36.01 65.5,36.01 66,35.51 KC19.1 ; 9.25,40.01 9.25,39.49 9.25,39.45 9.25,39.43 9.24,39.41 9.24,39.39 9.23,39.34 9.23,39.32 9.22,39.29 9.21,39.23 9.2,39.2 9.19,39.16 9.17,39.13 9.16,39.1 9.15,39.06 9.13,39.03 9.11,39 9.09,38.96 9.07,38.93 9.05,38.9 9.02,38.87 9,38.84 8.97,38.81 8.93,38.78 8.87,38.73 8.83,38.7 8.81,38.67 8.78,38.64 8.75,38.61 8.73,38.58 8.71,38.55 8.69,38.52 8.67,38.48 8.65,38.45 8.64,38.42 8.63,38.38 8.61,38.35 8.6,38.32 8.59,38.29 8.58,38.23 8.57,38.2 8.57,38.17 8.56,38.12 8.56,38.1 8.55,38.08 8.55,38.03 8.55,38.01 8.55,37.98 8.55,37.9 8.55,37.78 8.56,37.6 8.57,37.39 8.58,37.13 8.59,36.83 8.62,36.49 8.64,36.11 8.68,35.71 8.72,35.27 8.78,34.8 8.84,34.3 8.91,33.78 8.99,33.24 9.09,32.68 9.19,32.1 9.31,31.5 9.45,30.89 9.6,30.27 9.76,29.64 9.94,29 10.14,28.35 10.36,27.71 10.59,27.06 10.85,26.41 11.13,25.77 11.42,25.13 11.74,24.51 12.08,23.89 12.45,23.28 12.83,22.69 13.23,22.12 13.65,21.56 14.08,21.01 14.53,20.49 14.98,19.98 15.44,19.48 15.9,19 16.36,18.55 16.83,18.1 17.29,17.68 17.75,17.28 18.2,16.9 18.64,16.53 19.07,16.19 19.48,15.87 19.88,15.57 20.26,15.29 20.62,15.03 20.95,14.8 21.26,14.59 21.54,14.4 21.79,14.23 22.01,14.09 22.2,13.98 22.34,13.89 22.45,13.82 22.52,13.78 22.55,13.77 22.59,13.75 22.61,13.74 22.63,13.73 22.67,13.71 22.69,13.7 22.72,13.69 22.78,13.68 22.84,13.66 22.87,13.65 22.91,13.65 22.94,13.64 22.98,13.64 23.02,13.64 23.05,13.64 23.09,13.64 23.13,13.64 23.17,13.64 23.21,13.65 23.25,13.66 23.29,13.67 23.33,13.68 23.37,13.7 23.41,13.71 23.45,13.73 23.49,13.74 23.53,13.75 23.57,13.75 23.61,13.76 23.64,13.76 23.68,13.76 23.72,13.76 23.76,13.76 23.79,13.75 23.83,13.75 23.86,13.74 23.93,13.73 23.96,13.72 23.99,13.71 24.02,13.7 24.07,13.68 24.11,13.67 24.13,13.66 24.19,13.63 24.19,13.62 24.19,13.6 ; 9.25,40.01 v1(10,40.01) ; KD10.2 52.24,55.22 52.22,55.19 52.21,55.18 52.2,55.17 52.19,55.15 52.17,55.13 52.16,55.11 52.14,55.08 52.12,55.06 52.11,55.04 52.08,55 52.05,54.96 52.04,54.94 52.01,54.9 51.93,54.79 51.92,54.77 51.91,54.75 51.9,54.73 51.89,54.72 51.87,54.69 51.85,54.66 51.85,54.65 51.83,54.62 51.82,54.6 51.81,54.58 ; KD5.2 47.55,34.56 v1(47.5,34.51) ; v1(55,38.01) KC17.1 ; 46.71,22.49 47.64,22.88 47.65,22.88 47.66,22.88 47.67,22.89 47.69,22.89 47.7,22.9 47.72,22.9 47.75,22.91 47.8,22.92 47.82,22.93 47.88,22.94 47.94,22.95 48.01,22.95 48.05,22.95 48.08,22.95 48.12,22.95 48.16,22.94 48.2,22.94 48.24,22.93 48.28,22.92 48.31,22.91 48.35,22.89 48.39,22.88 48.43,22.86 48.5,22.82 48.54,22.8 48.58,22.78 48.61,22.77 48.65,22.76 48.69,22.75 48.73,22.74 48.77,22.74 48.81,22.73 48.84,22.73 48.92,22.73 48.95,22.73 49.02,22.74 49.05,22.74 49.08,22.74 49.11,22.75 49.13,22.76 49.16,22.76 49.2,22.77 49.24,22.78 49.27,22.79 49.28,22.8 49.31,22.81 49.35,22.83 49.38,22.84 49.4,22.85 49.42,22.86 49.44,22.87 49.46,22.87 49.48,22.88 49.5,22.89 49.55,22.91 49.57,22.92 49.61,22.95 49.64,22.96 49.68,22.98 49.7,22.99 49.72,23 49.74,23.01 49.76,23.02 49.78,23.03 49.81,23.05 49.83,23.06 49.85,23.07 49.87,23.08 49.89,23.1 49.91,23.11 49.97,23.15 49.99,23.17 50.05,23.21 50.09,23.24 50.11,23.25 50.14,23.27 50.16,23.29 50.19,23.31 50.21,23.33 50.22,23.33 50.23,23.34 50.27,23.37 50.28,23.38 50.29,23.39 50.31,23.41 50.36,23.45 50.37,23.47 50.41,23.51 50.43,23.54 50.45,23.56 50.47,23.59 50.49,23.62 50.51,23.65 50.52,23.68 50.54,23.71 50.56,23.74 50.57,23.78 50.59,23.81 50.6,23.85 50.61,23.89 50.62,23.93 50.63,23.97 50.63,24.01 50.64,24.05 50.64,24.09 50.64,24.14 50.64,24.18 50.64,24.22 50.65,24.26 50.66,24.3 50.67,24.34 50.68,24.37 50.7,24.41 50.71,24.44 50.73,24.48 50.75,24.51 50.77,24.54 50.78,24.57 50.8,24.6 50.82,24.62 50.84,24.65 50.86,24.67 50.9,24.71 50.92,24.73 50.95,24.77 51,24.81 51.02,24.83 51.02,24.83 ; 46.71,22.49 46.69,22.48 46.67,22.47 